# Altium PCB FX_PCB.PcbDoc (part 2 of 2)
Units mil, origin at the board's own origin, x right, y up, seen from the top; angles counter-clockwise.
Board outline 5090.03 x 3840.03 mil, 2 copper layers (Top Layer, Bottom Layer); 132 components, 112 nets, 533 pads, 214 vias.
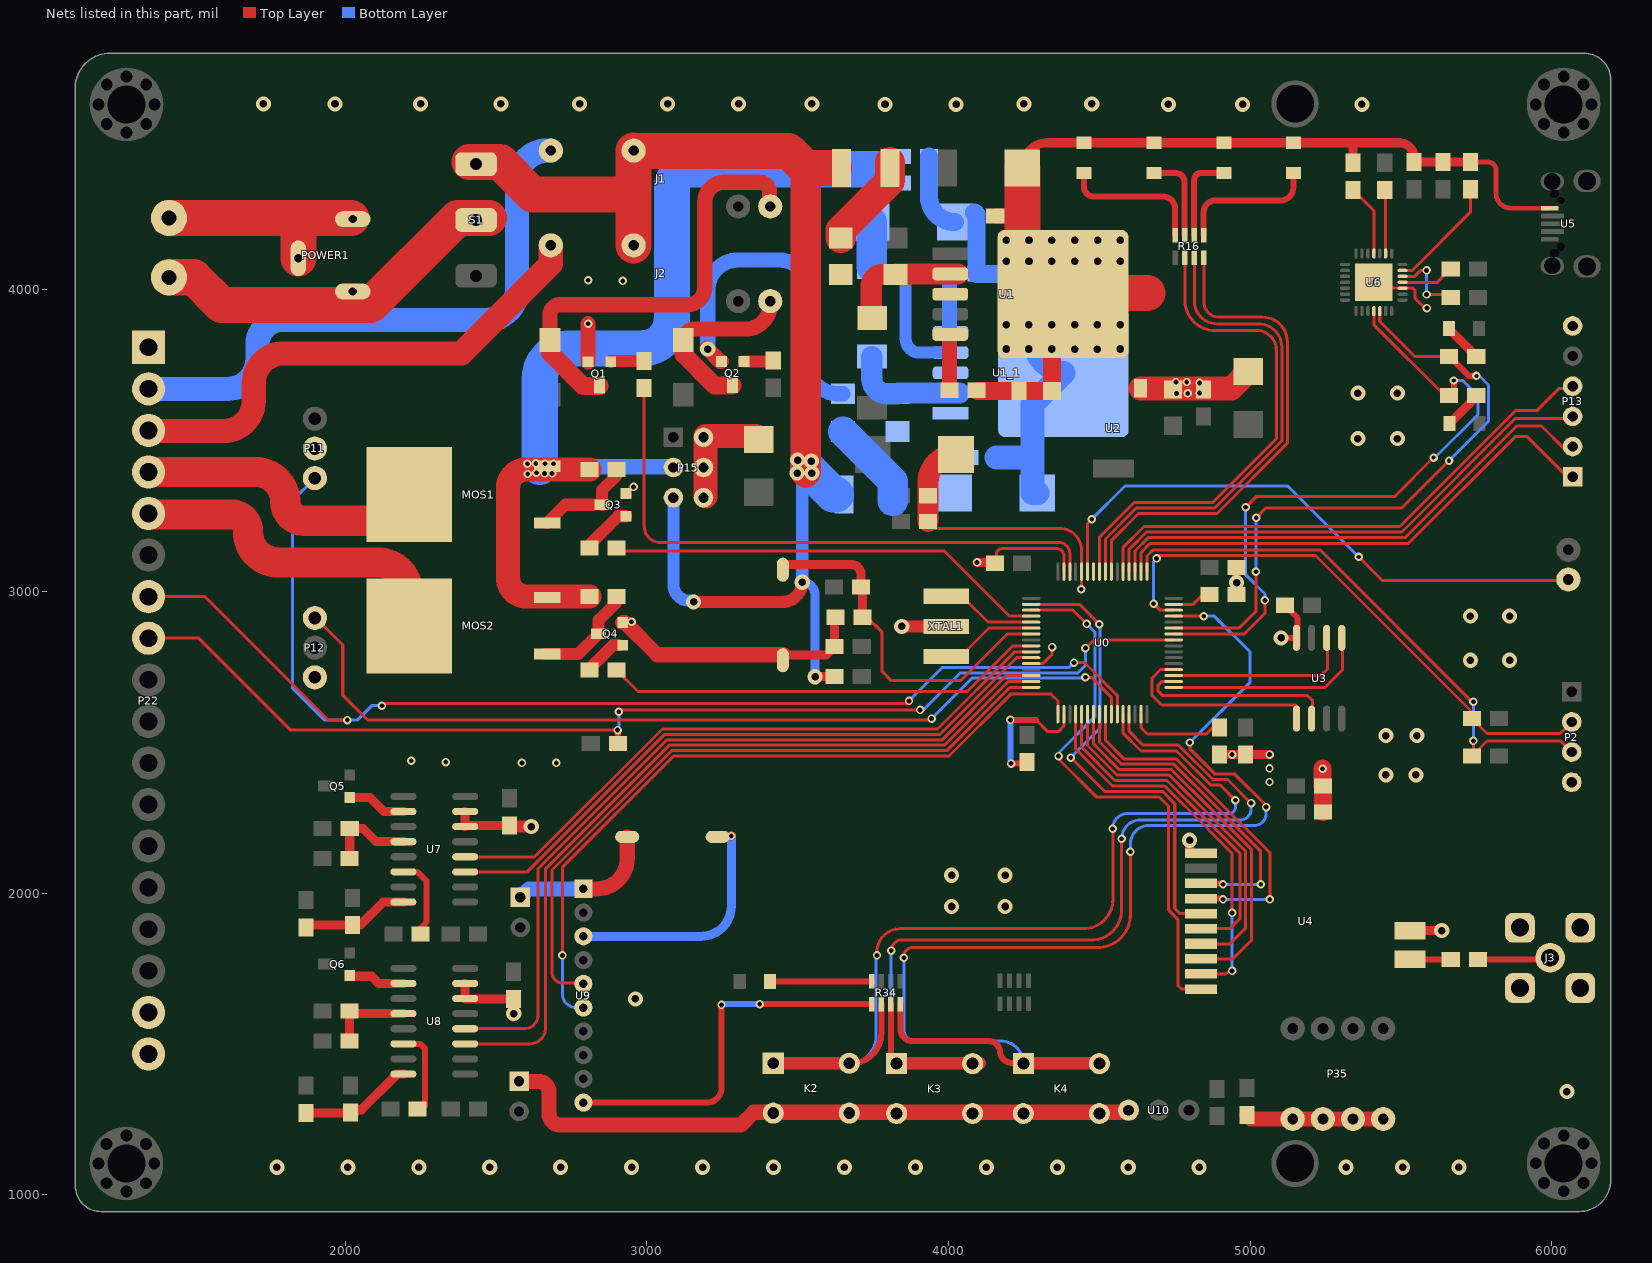
[diagram p2: the nets of this part, all layers, seen from the top]

## Via types
v1: diameter 50, hole 25, Top Layer to Bottom Layer, 108 vias
v2: diameter 28, hole 16, Top Layer to Bottom Layer, 98 vias
v3: diameter 28, hole 14, Top Layer to Bottom Layer, 6 vias
v4: diameter 40, hole 20, Top Layer to Bottom Layer, 2 vias

## Nets (pads, with @x,y where several pads share a name; then routed paths per layer and width w, separated by ;. In a path a pad name is that pad's centre, name@x,y a point inside that pad or via, vN(x,y) a via of type N, cw(c..) or ccw(c..) an arc to the next point about the centre after c; other vN are vias at no path point) (continued)
GND: C1.2 C1_2.2 C2.1 C2_2.1 C3.2 C3_2.2 C4.1 C4_2.1 C5.1 C5_2.1 C6.2 C7.1 C8.2 C9.1 C10.2 C11.2 C12.1 C13.1 C14.1 C15.2 C16.2 C17.2 C18.2 C19.2 C20.1 C21.2 C22.2 C23.1 C27.1 C31.2 D2.1 D2_2.1 D5.1 D6.1 J3.1 J3.2 J3.3 J3.4 K1.2 K2.2 K2.3 K3.2 K3.3 K4.2 K4.3 K5.2 LED0.2 LED1.2 LED2.2 LED3.2 P2.4 P11.2 P12.1 P13.6 P15.2 P15.4 P15.6 P17.1 P18.1 P22.1 P22.17 P22.18 P35.5 P35.6 P35.7 P35.8 POWER1.2 POWER1.3 POWER2.1 Q1.2 Q2.2 Q3.2 Q4.2 R1.1 R1_2.1 R9.2 R21.2 U0.12 U0.18 U0.60 U0.63 U1.3 U1.6 U1_1.3 U1_1.6 U2.1 U3.4 U4.1 U4.12 U5.5 U6.0 U6.3 U7.14 U7.15 U8.14 U8.15 U9.1 U10.1 XTAL1.3 | length 15094.8
  Top Layer w10: C4.1@3932.24,3232.78 ccw(c3955.02,3232.78) 3955.02,3210 4367,3210 cw(c4367,3135.57) 4441.43,3135.57 U0.60@4441.43,3066.36 4441.43,3001.01 4440,3002.44 v2(4440,3007.94) ; C16.2@4154,3094 ccw(c4154,3099) 4159,3099 4159,3124 cw(c4178,3124) 4178,3143 4358,3143 cw(c4358,3118.63) 4382.37,3118.63 U0.63@4382.37,3066.36 ; U0.12@4274.11,2761.24 4312.24,2761.24 4343.56,2792.56 v2(4343.56,2816) ; 4290,2575 4329.15,2535.85 4363.85,2535.85 4382.37,2554.37 U0.18@4382.37,2593.92 ; v2(5409.84,4025.5) 5429.53,4005.81 U6.3@5505.32,4005.81 5539.19,4005.81 5547,3998 5547,3972 5586,3933 v2(5586,3940)
  Top Layer w16: C31.2@5730.94,4423.96 5788.04,4423.96 cw(c5788.04,4397) 5815,4397 5815,4321 ccw(c5865.15,4321) 5865.15,4270.85 U5.5@5992.86,4270.85
  Top Layer w20: v2(4205,2575) 4290,2575 ; v2(4207.5,2430) 4255,2430 C17.2@4260,2435 ; v1(5102.69,2846.8) U3.4@5153.61,2846.8 ; C19.2@5115,2955 5157,2913 U3.4@5157,2820
  Top Layer w30: U8.15@2397.87,1701.1 U8.14@2397.87,1651.1 ccw(c2398.98,1651.1) 2398.98,1650 C27.1@2557.48,1650 ccw(c2557.48,1647.52) 2555,1647.52 v1@2555,1590 ; U7.15@2397.87,2271.1 U7.14@2397.87,2221.1 cw(c2401.77,2221.1) 2401.77,2225 C23.1@2545,2225 ; K1.2@3452.8,2790.71 3594.48,2790.71 R9.2@3622.39,2818.62 3622.39,2912.39 C12.1@3625,2915 ; v2(4095,3097) 4151,3097 cw(c4151,3094) C16.2@4154,3094 ; C1.2@4245,4404.08 cw(c4328.92,4404.08) 4328.92,4488 5341.41,4488 ; v1(4799.17,2176) 4799.17,2145.83 4812.42,2132.58 U4.1@4837.68,2132.58 ; C13.1@4898,2460 v2(4940,2460) C18.2@4985,2460 v2(5064.61,2460) ; C14.1@4955,2990 v1(4955,3030) C15.2@4955,3080 ; R21.2@5341.41,4421.6 5341.41,4488 ; U4.12@5529.5,1876.09 v1(5635,1876.09) ; C31.2@5730.94,4423.96 C21.2@5639.83,4423.96 C22.2@5542.94,4423.96 5542.94,4440 ccw(c5494.94,4440) 5494.94,4488 5341.41,4488
  Top Layer w40: C23.1@2545,2225 ccw(c2549.11,2225) 2549.11,2220.89 v1(2617,2220.89) ; v1(3845,2885) 3845,2884.76 XTAL1.3@3992.36,2884.76
  Top Layer w50: P18.1@2576.63,1377.01 ccw(c2577.64,1377.01) 2577.64,1376 2641,1376 cw(c2641,1341) 2676,1341 2676,1269 ccw(c2713,1269) 2713,1232 3312,1232 3354.32,1274.32 U10.1@4565.98,1274.32 ; U9.1@2789.86,2014.99 2835.04,2014.99 ccw(c2835.04,2114.99) 2935.04,2114.99 K5.2@2935.04,2187.2 ; Q1.2@2805.52,3762.16 v2(2805.52,3888) ; Q4.2@2920.16,2897.48 2927.83,2897.48 3034.6,2790.71 K1.2@3452.8,2790.71 ; v1@3199,3807 v1(3202,3804) 3242.84,3763.16 Q2.2@3247.52,3763.16 ; C2.1@4155,4245 4239,4245 ccw(c4239,4251) 4245,4251 ; C20.1@4990,1265 5003,1252 P35.5@5141,1252 P35.6@5241,1252 P35.7@5341,1252 P35.8@5441,1252
  Top Layer w60: R1.1@4095.77,3665 C7.1@4233.56,3665 C6.2@4343.56,3665 U1.6@4343.56,3778 ; v2(5240,2413) 5240,2357.48 ccw(c5242,2357.48) C10.2@5242,2355.48 ; C11.2@5242,2270 C10.2@5242,2350 ; J3.4@6084.24,1876.09 J3.4@6094.33,1886.18
  Top Layer w70: C4.1@3932.24,3232.78 C5.1@3932.24,3317.78 3932.24,3362.24 cw(c4025,3362.24) C3.2@4025,3455
  Top Layer w80: P15.6@3193.94,3315.48 3193.94,3515.48 3360.77,3515.48 cw(c3360.77,3504.6) D5.1@3371.65,3504.6 ; U2.1@4637.11,3673.87 4937.92,3673.87 D6.1@4993.65,3729.6
  Top Layer w120: POWER2.1@1416.06,4238.81 1850,4238.81 ; POWER1.3@1845,4105 1845,4233.81 1850,4238.81 ; POWER1.2@2021.19,4238.81 1850,4238.81 ; C1.2@4245,4404.08 4245,4251 4245,4086.31 ccw(c4345,4086.31) 4345,3986.31 U1.6@4379.7,3986.31 cw(c4383.39,3986.31) 4383.39,3990 4660,3990
  Bottom Layer w20: v2(4205,2575) 4205,2432.5 v2(4207.5,2430)
  Bottom Layer w50: P17.1@2580.81,1987.01 2608.79,2014.99 U9.1@2789.86,2014.99 ; v1(3202,3804) 3202,3999 cw(c3302,3999) 3302,4099 3440,4099 cw(c3440,4005) 3534,4005 3534,3756 ccw(c3634,3756) 3634,3656 D2_2.1@3650,3656
  Bottom Layer w60: C4_2.1@3935,4442 3935,4311 ccw(c4021,4311) C3_2.2@4021,4225 ; 4084,4256 cw(c4084,4247) 4093,4247 R1_2.1@4093,4053 4230,4053 cw(c4230,3995) 4288,3995 4288,3940 ; U1_1.6@4279,3825.25 ccw(c4379,3825.25) 4379,3725.25 U1_1.6@4380.87,3725.25
  Bottom Layer w80: C2_2.1@4160,3445 4273,3445 4278,3450 ; C1_2.2@4294,3327 4278,3327 4278,3450 ; U1_1.6@4380.87,3725.25 4278,3622.39 4278,3450
  other v1: 1773.76,1092 2008.94,1092 2244.11,1092 2479.28,1092 2714.45,1092 2949.62,1092 3184.8,1092 3419.97,1092 3655.14,1092 3890.31,1092 4125.48,1092 4360.66,1092 4595.83,1092 4831,1092 5318.31,1092 5505.32,1092 5692.01,1092 6050,1342.59 2559,1601 2962,1649.82 4010.17,1956.25 4187.47,1956.25 4010.17,2060 4187.47,2060 5450,2392.48 5549.3,2392.48 5450,2522.48 5552.94,2522.48 5730,2772.71 5860,2772.71 5730,2918.72 5860,2918.72 5357.04,3507 5488.04,3507 5357.04,3658 5488.04,3658 4493.58,3803 4191,3804.4 4266.64,3804.4 4342.29,3804.4 4417.93,3804 4569.22,3804.4 4191,3884 4266.64,3884 4342.29,3884 4417.93,3884 4493.58,3884 4569.22,3884 4191,4095 4266.8,4095 4342.6,4095 4418.4,4095 4494.2,4095 4570,4095 4191,4165.36 4266.8,4165.36 4342.6,4165.36 4418.4,4165.36 4494.2,4165.36 4570,4165.36 3789.45,4615.08 4025,4615.08 4729.1,4615.08 4975.07,4615.08 5370.47,4615.08 1728.69,4617 1966.26,4617 2250,4617 2516.08,4617 2777,4617 3068.86,4617 3304.55,4617 3547,4617 4250,4617 4475,4617
  other v2: 5064,2369 5064,2414 2585.81,2432.19 2700,2432.19 2333.43,2435 2219.08,2439.71 2949.62,2900 2956,3347 4756,3657 4793,3657 4832,3658 4832,3692 4754,3695 4790,3695 2920.16,4030.07 2805.52,4032.22
GPIO0(C4): U0.24 U4.3 | length 1085
  Top Layer w10: U0.24@4500.48,2593.92 4500.48,2501.34 4573.82,2428 4746.54,2428 4813.32,2361.23 4813.56,2361.23 5035,2139.78 v2(5035,2030)
  Top Layer w20: U4.3@4837.68,2032.58 4907.42,2032.58 v2(4910,2030)
  Bottom Layer w10: v2(4910,2030) v2(5035,2030)
GPIO1(C5): U0.25 U4.4 | length 1169.3
  Top Layer w10: U0.25@4520.17,2593.92 4520.17,2507.11 4581.28,2446 4754,2446 4820.77,2379.23 4821.01,2379.23 5065,2135.24 v2(5065,1980)
  Top Layer w20: U4.4@4837.68,1982.58 4907.42,1982.58 v2(4910,1980)
  Bottom Layer w10: v2(4910,1980) v2(5065,1980)
HEAT1(C15): R12.2 U0.4 | length 1467.8
  Top Layer w10: R12.2@2900,3145 2910.14,3134.86 3986.1,3134.86 4202.24,2918.72 U0.4@4274.11,2918.72
HEAT1(加热布1): MOS1.1 P22.4 | length 1275.6
  Top Layer w100: P22.4@1348.51,3396.75 1701.68,3396.75 cw(c1701.68,3296.75) 1801.68,3296.75 ccw(c1863.68,3296.75) 1863.68,3234.75 2126.39,3234.75 ccw(c2126.39,3321.51) MOS1.1@2213.14,3321.51 2126.59,3234.96 1980,3234.96
HEAT2(C1): R14.2 U0.9 | length 1466.1
  Top Layer w10: R14.2@2900,2739.83 2970.83,2669 4062.3,2669 4213.6,2820.3 U0.9@4274.11,2820.3
HEAT2(加热布2): MOS2.1 P22.5 | length 1121
  Top Layer w100: P22.5@1348.51,3258.96 ccw(c1351.46,3258.96) 1351.46,3256 1623,3256 cw(c1623,3201) 1678,3201 1678,3196.96 ccw(c1778,3196.96) 1778,3096.96 2108.14,3096.96 cw(c2108.14,2996.96) 2208.14,2996.96 MOS2.1@2208.14,2886.87
HEAT_5V: C3_2.1 C4_2.2 C5_2.2 L1_2.2 MOS1.3 MOS2.3 P15.3 R13.1 R15.1 U1_1.4 | length 3997.6
  Top Layer w80: R15.1@2810,2983.93 2601.07,2983.93 cw(c2601.07,3045) 2540,3045 2540,3344.41 cw(c2600.59,3344.41) 2600.59,3405 R13.1@2810,3405
  Bottom Layer w40: L1_2.2@3745.56,4076.11 ccw(c3760.67,4076.11) 3760.67,4061 3806,4061 cw(c3806,4009) 3858,4009 3858,3838 ccw(c3903.82,3838) 3903.82,3792.18 U1_1.4@4006.85,3792.18
  Bottom Layer w50: 2645,3414 3085.42,3414 cw(c3085.42,3411.48) P15.3@3087.94,3411.48
  Bottom Layer w100: C3_2.1@3745.41,4225 3745.41,4076.11 L1_2.2@3745.56,4076.11
  Bottom Layer w120: 2645,3414 2645,3706 cw(c2745,3706) 2745,3806 2983,3806 ccw(c2983,3906) 3083,3906 3083,4338 cw(c3145,4338) 3145,4400 3770,4400
  other v2: 2605,3390 2661,3392 2686,3392 2634,3394 2604,3424 2662,3424 2691,3424 2632,3425
HEAT_12V: C1_2.1 C2_2.2 D1_2.2 U1_1.1
HX711_DO1(C2): U0.10 U7.12 | length 2157.7
  Top Layer w10: U7.12@2397.87,2121.1 2627.82,2121.1 3051.72,2545 3963.76,2545 4219.37,2800.61 U0.10@4274.11,2800.61
HX711_DO2(A0): U0.14 U8.12 | length 2652.5
  Top Layer w10: U8.12@2397.87,1551.1 2594.1,1551.1 ccw(c2594.1,1596) 2639,1596 2639,2081.37 3066.63,2509 3979,2509 4191.87,2721.87 U0.14@4274.11,2721.87
HX711_SCK1(C3): U0.11 U7.11 | length 2170.3
  Top Layer w10: U7.11@2397.87,2071.1 2603.28,2071.1 3059.18,2527 3971.54,2527 4225.47,2780.93 U0.11@4274.11,2780.93
HX711_SCK2(A1): U0.15 U8.11 | length 2690.8
  Top Layer w10: U8.11@2397.87,1501.1 2611.1,1501.1 ccw(c2611.1,1554.84) 2664.84,1554.84 2664.84,2081.75 3074.09,2491 3986.46,2491 4197.64,2702.19 U0.15@4274.11,2702.19
KEY1(B2): K2.1 K2.4 R34.3 U0.28 | length 3046.5
  Top Layer w10: v2(3763,1794) 3763,1805.58 cw(c3840,1805.58) 3794.18,1867.46 cw(c3840,1805.58) 3840,1882.58 4447.25,1882.58 ccw(c4447.25,1980.33) 4545,1980.33 v2@4545,2214 ; U0.28@4579.22,2593.92 4579.22,2530.78 4638,2472 4756.09,2472 4869.09,2359 4900.68,2359 v2(4951,2308.68)
  Top Layer w20: K2.4@3670.98,1436.68 3677.56,1436.68 ccw(c3677.56,1536.68) 3777.56,1536.68 R34.3@3777.56,1632.59
  Top Layer w40: K2.1@3419.02,1436.68 K2.4@3670.98,1436.68
  Bottom Layer w10: K2.4@3670.98,1436.68 ccw(c3670.98,1525.69) 3760,1525.69 3760,1791 cw(c3763,1791) v2(3763,1794) ; v2(4544,2214) cw(c4595,2214) 4595,2265 4931,2265 ccw(c4931,2285) 4940.29,2267.29 ccw(c4931,2285) 4948.71,2275.71 ccw(c4931,2285) 4951,2285 v2(4951,2308.68)
KEY2(B10): K3.1 K3.4 R34.5 U0.29 | length 3011.2
  Top Layer w10: v2(3810,1810) cw(c3845,1810) 3845,1845 4474,1845 ccw(c4474,1945) 4574,1945 v2(4574,2181) ; U0.29@4598.91,2593.92 4598.91,2537.18 4644.09,2492 4761.54,2492 4876.54,2377 4925,2377 v2(5003,2299)
  Top Layer w20: R34.5@3809.05,1632.59 3809.05,1479.64 ccw(c3852.02,1479.64) K3.1@3852.02,1436.68
  Top Layer w40: K3.1@3852.02,1436.68 K3.4@4103.98,1436.68
  Bottom Layer w10: v2(3810,1810) 3810,1478.69 ccw(c3852.02,1478.69) K3.1@3852.02,1436.68 ; v2(4574,2181) cw(c4636,2181) 4636,2243 4967,2243 ccw(c4967,2279) 4980.71,2245.71 ccw(c4967,2279) 5000.29,2265.29 ccw(c4967,2279) 5003,2279 v2(5003,2299)
KEY3(A12): K4.1 K4.4 R34.7 U0.45 | length 4170.9
  Top Layer w10: v2(3852.02,1786.18) 3852.02,1792.02 cw(c3880,1792.02) 3880,1820 4493.45,1820 ccw(c4493.45,1929.55) 4603,1929.55 v2(4603,2138) ; U0.45@4746.55,2918.72 v2(4846,2918.72) ; v2(4800,2500) 4800,2479 4884,2395 4949,2395 5053,2291 v2(5053,2286)
  Top Layer w20: R34.7@3840.55,1632.59 3840.55,1549.45 ccw(c3880,1549.45) 3880,1510 4133.92,1510 cw(c4133.92,1473.42) 4170,1479.44 ; 4170,1480 ccw(c4213.32,1480) 4170,1479.44 ; 4285.02,1436.68 4213.32,1436.68 cw(c4213.32,1480) 4170.5,1473.42 ; 4170,1479.44 cw(c4133.92,1473.42) 4170.5,1473.42 ; 4170,1479.44 ccw(c4213.32,1480) 4170.5,1473.42
  Top Layer w40: 4285.02,1436.68 K4.4@4499.98,1436.68
  Bottom Layer w10: v2(3852.02,1786.18) 3852.02,1547.98 ccw(c3890,1547.98) 3890,1510 4173.37,1510 ; v2@4597,2138 v2(4603,2138) 4603,2163.58 cw(c4664.42,2163.58) 4664.42,2225 5014,2225 ccw(c5014,2264) 5029,2228 ccw(c5014,2264) 5050,2249 ccw(c5014,2264) 5053,2264 v2(5053,2286) ; v2(4800,2500) 5000,2700 5000,2800 4881.28,2918.72 v2(4846,2918.72) ; 4173.37,1510 cw(c4173.37,1435.35) 4180.32,1509.68 ; 4173.37,1510 4180,1510 4180.32,1509.68 ; 4180.32,1509.68 cw(c4173.37,1435.35) K4.1@4247.69,1442.31 ; K4.1@4247.69,1442.31 cw(c4173.37,1435.35) K4.1@4248.02,1435.35 4248.02,1441.98 K4.1@4247.69,1442.31
LED1(B3): R16.2 U0.55 | length 1673.8
  Top Layer w10: U0.55@4539.85,3066.36 4539.85,3168.85 4630,3259 4889.91,3259 5123,3492.09 5123,3828.6 ccw(c5041.6,3828.6) 5041.6,3910 4896.85,3910 cw(c4896.85,3960.35) 4846.5,3960.35 R16.2@4846.5,4126.41
LED2(B4): R16.4 U0.56 | length 1679
  Top Layer w10: U0.56@4520.17,3066.36 4520.17,3174.71 4622.46,3277 4882.46,3277 5105,3499.54 5105,3810.25 ccw(c5027.25,3810.25) 5027.25,3888 4890,3888 cw(c4890,3963) 4815,3963 R16.4@4815,4126.41
LED3(B5): R16.6 U0.57 | length 1687.7
  Top Layer w10: U0.57@4500.48,3066.36 4500.48,3180.48 4615,3295 4875,3295 5087,3507 5087,3800 ccw(c5021.3,3800) 5021.3,3865.7 4883.5,3865.7 cw(c4883.5,3965.7) 4783.5,3965.7 R16.6@4783.5,4126.41
Motor(抽水电机): J1.3 P22.2 | length 1959.3
  Bottom Layer w80: P22.2@1348.5,3672.35 1611,3672.35 ccw(c1611,3770.35) 1709,3770.35 1709,3818 cw(c1792,3818) 1792,3901 2470,3901 ccw(c2470,4001) 2570,4001 2570,4362.02 cw(c2670,4362.02) 2670,4462.02 J1.3@2681.67,4462.02
NetC13_2: C13.2 U0.31 | length 322.6
  Top Layer w10: U0.31@4638.28,2593.92 4638.28,2548.72 4659,2528 4854,2528 4876,2550 C13.2@4898,2550
NetC14_2: C14.2 U0.47 | length 131.7
  Top Layer w10: U0.47@4746.55,2958.09 4811.09,2958.09 4843,2990 C14.2@4865,2990
NetC26_2: C26.2 R26.2 U7.8 | length 354.7
  Top Layer w30: R26.2@1870,1895 C26.2@2025,1895 2050,1895 2126.1,1971.1 U7.8@2193.15,1971.1
NetC30_2: C30.2 R29.2 U8.8 | length 384.9
  Top Layer w30: R29.2@1870,1272.34 C30.2@2032.66,1272.34 ; C30.2@2020,1282.57 2053.49,1282.57 2172.02,1401.1 U8.8@2193.15,1401.1
NetC31_1: C31.1 U6.6 | length 381
  Top Layer w10: U6.6@5505.32,4064.87 5536.87,4064.87 5730.94,4258.94 C31.1@5730.94,4333.96
NetD1_1: D1.1 F1.2 | length 319.3
  Top Layer w100: D1.1@3643,4172.4 3643,4198 3806.42,4361.42 F1.2@3806.42,4404.08 F1.2@3806.42,4424
NetD1_2_1: D1_2.1 F1_2.2 | length 298.5
  Bottom Layer w100: D1_2.1@3650,3531 3815.42,3365.58 F1_2.2@3815.42,3322 F1_2.2@3815.42,3301
NetD2_2: D2.2 L1.1 U1.2 | length 419.2
  Top Layer w70: L1.1@3747.56,3906.89 cw(c3747.56,3910.45) 3744,3910.45 3744,4014 cw(c3781,4014) 3781,4051 D2.2@3824.1,4051 3826.34,4053.24 U1.2@4005.69,4053.24 U1.2@4032,4053.24
NetD2_2_2: D2_2.2 L1_2.1 U1_1.2 | length 394.2
  Bottom Layer w70: L1_2.1@3746.56,3779.11 ccw(c3746.56,3778.11) 3745.56,3778.11 3745.56,3707 ccw(c3796.56,3707) 3796.56,3656 D2_2.2@3831.1,3656 3833.42,3658.32 U1_1.2@4006.85,3658.32 U1_1.2@4037,3658.32
NetD3_1: D3.1 J1.4 Q1.3 | length 1500
  Top Layer w50: D3.1@2679,3834 2679,3919 cw(c2711,3919) 2711,3951 3135,3951 ccw(c3135,4008) 3192,4008 3192,4292 cw(c3257,4292) 3257,4357 3374.58,4357 cw(c3374.58,4324.58) 3407,4324.58 J1.4@3407,4279.02
  Top Layer w60: D3.1@2679,3834 2679,3792 2788.84,3682.16 Q1.3@2842.52,3682.16
NetD4_1: D4.1 J2.4 Q2.3 | length 609.5
  Top Layer w50: D4.1@3121,3834 cw(c3157.01,3834) 3157.01,3870.01 3326.06,3870.01 ccw(c3326.06,3952.98) J2.4@3409.03,3952.98
  Top Layer w60: D4.1@3121,3834 3121,3787 3224.84,3683.16 Q2.3@3284.52,3683.16
NetJ3_5: J3.5 R2.2 | length 241.4
  Top Layer w20: R2.2@5755,1781.2 5989.35,1781.2 J3.5@5994.33,1786.18
NetLED0_1: LED0.1 R16.1 | length 468.4
  Top Layer w20: R16.1@4846.05,4182 4846.05,4258.99 cw(c4883.5,4258.99) 4883.5,4296.44 5100,4296.44 ccw(c5100,4339.44) 5143,4339.44 LED0.1@5143,4388
NetLED1_1: LED1.1 R16.3 | length 294.5
  Top Layer w20: R16.3@4814.56,4182 4814.56,4365.22 cw(c4837.33,4365.22) 4837.33,4388 LED1.1@4912.79,4388
NetLED2_1: LED2.1 R16.5 | length 294.6
  Top Layer w20: LED2.1@4680.9,4388 4751.5,4388 cw(c4751.5,4356.44) 4783.06,4356.44 R16.5@4783.06,4182
NetLED3_1: LED3.1 R16.7 | length 477.1
  Top Layer w20: LED3.1@4449,4388 4449,4341.8 ccw(c4480.8,4341.8) 4480.8,4310 4710,4310 cw(c4710,4268.44) 4751.56,4268.44 R16.7@4751.56,4182
NetLED5_2: LED5.2 R22.1 | length 125.9
  Top Layer w30: LED5.2@5660.4,3557 R22.1@5749.4,3646
NetLED6_2: LED6.2 R23.1 | length 129.7
  Top Layer w30: LED6.2@5658.4,3872 5658.4,3871 R23.1@5749.4,3780
NetLED7_2: LED7.2 R34.2 | length 348.1
  Top Layer w20: LED7.2@3398,1708.18 R34.2@3746.06,1708.18
NetMOS1_2: MOS1.2 Q3.3 R13.2 | length 317.4
  Top Layer w40: MOS1.2@2669.84,3227.81 2730,3287.97 2825,3287.97 ; Q3.3@2851,3287.97 2851,3336 2900,3385 R13.2@2900,3405
NetMOS2_2: MOS2.2 Q4.3 R15.2 | length 351.4
  Top Layer w40: MOS2.2@2664.84,2793.17 2772.84,2793.17 Q4.3@2840.16,2860.48 2840.16,2905.16 2900,2965 R15.2@2900,2983.93
NetPOWER1_1: POWER1.1 POWER2.2 S1.2 | length 1218.7
  Top Layer w120: POWER2.2@1416.06,4041.96 1498.04,4041.96 1590,3950 2084.11,3950 2373.07,4238.96 S1.2@2477,4238.96
NetQ1_1: Q1.1 R6.1 | length 111.1
  Top Layer w40: Q1.1@2880.52,3762.16 cw(c2883.36,3762.16) 2883.36,3765 R6.1@2990,3765
NetQ2_1: Q2.1 R7.1 | length 98.1
  Top Layer w40: Q2.1@3322.52,3763.16 3416.16,3763.16 ccw(c3416.16,3766) R7.1@3419,3766
NetQ3_1: Q3.1 R12.1 | length 170.3
  Top Layer w40: R12.1@2810,3145 2810,3155 2904.97,3249.97 Q3.1@2931,3249.97
NetQ4_1: Q4.1 R14.1 | length 149.4
  Top Layer w30: Q4.1@2910,2822.48 Q4.1@2920.16,2822.48
  Top Layer w40: R14.1@2805,2739.83 2887.65,2822.48 Q4.1@2910,2822.48
NetQ5_1: Q5.1 U7.2 | length 197.2
  Top Layer w30: Q5.1@2015.16,2317.48 2082.52,2317.48 2128.9,2271.1 U7.2@2193.15,2271.1
NetQ6_1: Q6.1 U8.2 | length 188.9
  Top Layer w30: Q6.1@2015.16,1727.48 2017.64,1725 2087.58,1725 2111.48,1701.1 U8.2@2193.15,1701.1
NetR1_2: R1.2 U1.5 | length 173.4
  Top Layer w50: R1.2@4003.17,3667.6 U1.5@4003.17,3841
NetR1_2_2: R1_2.2 U1_1.5 | length 182
  Bottom Layer w50: U1_1.5@4003,3871 R1_2.2@4003,4053
NetR2_1: R2.1 U4.11 | length 135.5
  Top Layer w20: U4.11@5529.5,1781.2 R2.1@5665,1781.2
NetR18_2: R18.2 U6.4 | length 178.1
  Top Layer w10: U6.4@5505.32,4025.5 5620.5,4025.5 R18.2@5665,4070
NetR19_2: R19.2 U6.5 | length 268.9
  Top Layer w10: U6.5@5505.32,4045.18 5545.5,4045.18 5565.32,4065 v2(5585,4065) ; v2(5585,3985) 5655,3985 R19.2@5665,3975 R19.2@5655.18,3965.18
  Bottom Layer w10: v2(5585,3985) 5585,3983.49 v2(5585,4065)
NetR20_2: R20.2 U6.9 | length 211.9
  Top Layer w10: R20.2@5446.1,4331.6 5449.21,4328.49 U6.9@5449.21,4120.97
NetR21_1: R21.1 U6.11 | length 239
  Top Layer w10: R21.1@5341.41,4331.6 5409.84,4263.16 U6.11@5409.84,4120.97
NetR24_2: R24.2 R25.2 U7.4 | length 291.2
  Top Layer w30: R25.2@2015.16,2120 R24.2@2015.16,2215 2059.06,2215 2102.95,2171.1 U7.4@2193.15,2171.1
NetR27_2: R27.2 R28.2 U8.4 | length 281.8
  Top Layer w30: R28.2@2015,1510 R27.2@2015,1610 2023.9,1601.1 U8.4@2193.15,1601.1
NetU0_5: U0.5 XTAL1.1 | length 313.9
  Top Layer w10: XTAL1.1@3992.36,2976.76 4053.24,2976.76 4130.96,2899.04 U0.5@4274.11,2899.04
NetU0_6: U0.6 XTAL1.2 | length 324.2
  Top Layer w10: XTAL1.2@3992.36,2776.76 4008.77,2793.17 4048.17,2793.17 4134.35,2879.35 U0.6@4274.11,2879.35
nLINK: R34.1 U9.10 | length 1269.5
  Top Layer w20: U9.10@2789.86,1306.33 3198.85,1306.33 ccw(c3198.85,1355) 3247.52,1355 ; 3247.52,1350 v2(3247.52,1630) ; v2@3371.65,1630 cw(c3374.24,1630) v2(3374.24,1632.59) R34.1@3746.06,1632.59
  Bottom Layer w20: v2(3247.52,1630) cw(c3250.11,1630) 3250.11,1632.59 v2(3374.24,1632.59)
PA15: P13.1@6069.05,3380.93 U0.50 | length 1700
  Top Layer w10: U0.50@4638.28,3066.36 4638.28,3129.09 4669.19,3160 5525,3160 5880,3515 5916.41,3515 P13.1@6057.3,3374.11
PB6: U0.58
PB7: P13.2@6054.86,3040.27 U0.59 | length 1943.6
  Top Layer w10: U0.59@4461.11,3066.36 4461.11,3226.11 v3(4475,3240) ; v3(5360,3115) 5400,3075 5438.84,3036.16 P13.2@6063.61,3036.16
  Bottom Layer w10: v3(4475,3240) 4585,3350 5125,3350 v3(5360,3115)
PC10: P13.2@6069.05,3480.93 U0.51 | length 1709.8
  Top Layer w10: U0.51@4618.59,3066.36 4618.59,3134.86 4663.73,3180 5515,3180 5884,3549 5966,3549 6040.89,3474.11 P13.2@6057.3,3474.11
PC11: P13.3 U0.52 | length 1712.2
  Top Layer w10: U0.52@4598.91,3066.36 4598.91,3140.63 4656.28,3198 5503,3198 5879.11,3574.11 P13.3@6057.3,3574.11
PC12: P13.4 U0.53 | length 1777
  Top Layer w10: U0.53@4579.22,3066.36 4579.22,3146.95 4648.28,3216 5495.54,3216 5879.54,3600 5950,3600 6024.11,3674.11 P13.4@6057.3,3674.11
POW-12.0V: F1.1 F1_2.1 J1.1 J2.1 P15.5 R8.1 S1.1 | length 4305.7
  Top Layer w30: v1@3558,2717.35 cw(c3559.27,2717.35) 3559.27,2718.62 R8.1@3622.39,2718.62
  Top Layer w40: v1(3155,2966) 3450,2966 ccw(c3450,3031.25) v1(3515.25,3031.25)
  Top Layer w100: v1@3527,3396 3527,4404.08
  Top Layer w120: S1.1@2412,4424 2439,4424 2514,4424 2622,4316 2956.28,4316 ; J2.1@2956.28,4148.02 2956.28,4316 ; J1.1@2956.28,4462.02 J1.1@2956.28,4440.28 ; F1.1@3620,4404.08 3527,4404.08 3470.08,4461 2977,4461 J1.1@2956.28,4440.28 ; 2956.28,4316 J1.1@2956.28,4440.28
  Bottom Layer w30: v1(3515.25,3031.25) cw(c3515.25,2988.49) 3558,2988.49 v1(3558,2718)
  Bottom Layer w40: P15.5@3087.94,3311.48 3087.94,3022.94 ccw(c3140.77,3022.94) 3140.76,2970.12 v1@3156.37,2970.12 ; v1(3515.25,3031.25) 3515.25,3387.25 3521,3393 cw(c3534,3393) v1@3534,3406
  Bottom Layer w120: v1@3534,3406 v1(3547,3393) 3618,3322 F1_2.1@3626,3322
  other v1: 3498,3393 3545,3433 3500,3436
RELOAD: K5.1 U9.3 | length 826.3
  Top Layer w30: K5.1@3235.04,2187.2 cw(c3237.83,2187.2) 3237.83,2190 v2(3280,2190)
  Bottom Layer w30: U9.3@2789.86,1857.51 3180,1857.51 ccw(c3180,1957.51) 3280,1957.51 v2(3280,2190)
RESET: C12.2 K1.1 R3.1 U0.7 | length 1219
  Top Layer w10: C12.2@3715,2915 3730,2915 3780,2865 3780,2735 3810,2705 4040,2705 4194.67,2859.67 U0.7@4274.11,2859.67
  Top Layer w30: K1.1@3450.8,3072.71 cw(c3468.8,3072.71) 3468.8,3090.71 3676.01,3090.71 cw(c3676.01,3056.71) 3710,3056.71 R3.1@3710,3015 3715,3010 C12.2@3715,2915
SDN(C14): U0.3 U4.10 | length 1829.8
  Top Layer w10: U0.3@4274.11,2938.41 4412.59,2938.41 v2(4458,2893) ; v2(4365,2455) 4365,2445 4490,2320 4697.96,2320 4730,2287.96 4730,1943.71 4760,1913.71 4760,1695 4772.42,1682.58 U4.10@4837.68,1682.58
  Bottom Layer w10: v2(4365,2455) 4365,2465 4485,2585 4485,2866 v2(4458,2893)
Servo_PWM(B0): P12.3 U0.26 | length 3039.4
  Top Layer w10: P12.3@1903.32,2935.83 1903.32,2911.68 1992,2823 1992,2657 2074,2575 3940,2575 v2(3944,2579) ; v2(4454,2716) 4474.17,2716 4539.85,2650.32 U0.26@4539.85,2593.92
  Bottom Layer w10: v2(3944,2579) 4078,2713 4451,2713 v2(4454,2716)
Solenoid_Valve(电磁阀): J2.3 P22.3 | length 1690.7
  Top Layer w80: P22.3@1348.51,3534.55 ccw(c1350.51,3534.55) 1350.51,3532.55 1597,3532.55 ccw(c1597,3632.55) 1697,3632.55 1697,3690 cw(c1797,3690) 1797,3790 2386,3790 2681.67,4085.67 J2.3@2681.67,4148.02
SPI1_INT(C13): U0.2 U4.5 | length 1587.5
  Top Layer w10: U0.2@4274.11,2958.09 4433.91,2958.09 v2(4500,2892) ; v2(4405,2450) 4517,2338 4709.27,2338 4750,2297.27 4750,1950 4767.42,1932.58 U4.5@4837.68,1932.58
  Bottom Layer w10: v2(4405,2450) 4503,2548 4503,2889 v2(4500,2892)
SPI1_MISO(A6): U0.22 U4.7 | length 1196.3
  Top Layer w10: U0.22@4461.11,2593.92 4461.11,2489.8 4558.91,2392 4731.63,2392 4798.4,2325.23 4798.64,2325.23 4985,2138.87 4985,1885 4932.58,1832.58 U4.7@4837.68,1832.58
SPI1_MOSI(A7): U0.23 U4.8 | length 1260.5
  Top Layer w10: U0.23@4480.8,2593.92 4480.8,2495.57 4566.37,2410 4739.09,2410 4805.86,2343.23 4806.1,2343.23 5005,2144.33 5005,1845 4942.58,1782.58 U4.8@4837.68,1782.58
SPI1_NSS(A4): U0.20 U4.9 | length 1313.6
  Top Layer w10: U0.20@4421.74,2593.92 4421.74,2478.26 4544,2356 4716.72,2356 4783.49,2289.23 4783.73,2289.23 4940,2132.96 v2(4940,1935) ; U4.9@4787.42,1732.58 U4.9@4837.68,1732.58 4920.01,1732.58 v2@4930,1742.58
  Bottom Layer w10: v2(4940,1743) v2(4940,1935)
SPI1_SCK(A5): U0.21 U4.6 | length 1139.5
  Top Layer w10: U0.21@4441.43,2593.92 4441.43,2484.03 4551.46,2374 4724.18,2374 4790.95,2307.23 4791.19,2307.23 4967,2131.42 4967,1917 4932.58,1882.58 U4.6@4837.68,1882.58
SPI2_MISO(B14): U0.35 U3.2 | length 614.9
  Top Layer w10: U0.35@4746.55,2721.87 5234.37,2721.87 5256,2743.5 U3.2@5256,2840
SPI2_MOSI(B15): U0.36 U3.5 | length 635.9
  Top Layer w10: U0.36@4746.55,2741.56 4702.56,2741.56 4675,2714 4675,2656 4706,2625 5150,2625 U3.5@5155,2620
SPI2_NSS(B12): U0.33 U3.1 | length 682.7
  Top Layer w10: U0.33@4746.55,2682.5 5247.5,2682.5 5306,2741 U3.1@5306,2840
SPI2_SCK(B13): U0.34 U3.6 | length 659.8
  Top Layer w10: U0.34@4746.55,2702.19 4707.19,2702.19 4695,2690 4695,2670 4710,2655 5190,2655 5207,2638 U3.6@5207,2580
SWCLK: P2.3 R5.2 U0.49 | length 1914.8
  Top Layer w10: U0.49@4657.96,3066.36 4657.96,3117.96 4678.8,3138.8 5231.2,3138.8 v2@5744.5,2625.5 ; R5.2@5735,2455 R5.2@5740,2460 ; v2(5740,2505) R5.2@5740,2460 ; P2.3@6065.95,2468.14 6029.09,2505 5785,2505 R5.2@5740,2460 ; P2.3@6076.41,2478.59 P2.3@6085.93,2469.07
  Bottom Layer w10: v2(5740,2505) v2(5740,2635)
SWDIO: P2.2 R4.2 U0.46 | length 1890.3
  Top Layer w10: v2(4680,2960) 4701.59,2938.41 U0.46@4746.55,2938.41 ; v2(4690,3110) 4700,3120 5216.56,3120 5740.5,2596.06 R4.2@5740.5,2574.5 ; R4.2@5735,2580 R4.2@5740.5,2574.5 ; P2.2@6065.95,2568.14 6027.81,2530 5785,2530 R4.2@5740.5,2574.5
  Bottom Layer w10: v2(4680,2960) 4680,3100 v2(4690,3110)
U1_RX(A10): R23.2 U0.43 U6.26 | length 2135.9
  Top Layer w10: U0.43@4746.55,2879.35 4963.35,2879.35 5019,2935 v2(5019,3066) ; v2(5020,3245) 5052,3277 5502.4,3277 v3(5659.4,3434) ; U6.26@5429.53,3930.02 5429.53,3895.47 5545,3780 R23.2@5659.4,3780
  Top Layer w20: R23.2@5659.4,3780 5724.4,3715 v3(5750,3715)
  Bottom Layer w10: v2(5019,3066) v2@5019,3063 ; v2(5020,3245) 5020,3064 v2@5019,3063 ; v3(5659.4,3434) 5790,3564.6 5790,3685 5750,3725 v3(5750,3715) ; v2@5019,3063 5019,3061 5018,3062 v2@5019,3063
U1_TX(A9): R22.2 U0.42 U6.25 | length 2204.3
  Top Layer w10: U0.42@4746.55,2859.67 4980.67,2859.67 5049,2928 v2(5049,2971) ; v2(4985,3280) 5020,3315 5478.49,3315 v3(5608.07,3444.57) ; U6.25@5409.84,3930.02 5409.84,3885.16 R22.2@5645,3650
  Top Layer w20: R22.2@5659.4,3650 5675,3665.6 v3(5675,3700)
  Bottom Layer w10: v2(4985,3280) 4985,3055.94 5049,2991.94 v2(5049,2971) ; v3(5608.07,3444.57) 5613.05,3444.57 5755,3586.52 5755,3650 5705,3700 v3(5675,3700)
U2_RX(A3): U0.17 U9.6 | length 2448.2
  Top Layer w10: v2(2720,1794) 2720,2086 3089,2455 4001.37,2455 4206.37,2660 4340,2660 4362.69,2637.31 U0.17@4362.69,2593.92
  Bottom Layer w10: v2(2720,1794) 2720,1667 ccw(c2765.71,1667) 2765.71,1621.29 U9.6@2789.86,1621.29
U2_TX(A2): U0.16 U9.5 | length 2311.6
  Top Layer w10: U9.5@2788.86,1725.03 2765.83,1702 2721,1702 cw(c2721,1737) 2715.58,1702.42 cw(c2721,1737) 2686.42,1731.58 cw(c2721,1737) 2686,1737 2686,2077.46 3081.54,2473 3993.91,2473 4203.41,2682.5 U0.16@4274.11,2682.5
VBG1: C25.1 U7.6 | length 253
  Top Layer w20: U7.6@2193.15,2071.1 2238.9,2071.1 2270,2040 2270,1905 C25.1@2250,1885
VBG2: C29.1 U8.6 | length 296.3
  Top Layer w20: U8.6@2193.15,1501.1 2248.9,1501.1 2263.9,1486.1 2263.9,1295 C29.1@2243.9,1275
WATER(B9): R6.2 U0.62 | length 1981.6
  Top Layer w10: R6.2@2990,3675 cw(c2990,3674) 2991,3674 2991,3217 ccw(c3045,3217) 3045,3163 4366.06,3163 cw(c4366.06,3127) 4402.06,3127 U0.62@4402.06,3066.36
流量计(B1): P11.1 P22.7 U0.27 | length 4519.6
  Top Layer w10: P22.7@1348.5,2983.37 1535.63,2983.37 1945,2574 v2(2007,2574) ; v2(2122,2622) 2129.25,2629.25 2894.2,2629.25 3860.25,2629.25 v2(3869,2638) ; v2(4416,2765) 4450.63,2765 4559.54,2656.09 U0.27@4559.54,2593.92
  Bottom Layer w10: P11.1@1899.68,3376.35 1825,3301.66 1825,3243.83 1825,2681 1932,2574 v2(2007,2574) 2040,2574 2088,2622 v2(2122,2622) ; v2(3869,2638) 3980,2749 4400,2749 v2(4416,2765)
门限开关(A8): P22.8 R33.1 U0.41 | length 3762.9
  Top Layer w10: P22.8@1348.5,2845.57 1514.97,2845.57 1819.55,2541 v2(2903,2541) v2@2904,2540 ; v2@2903,2608 2907,2608 v2(3906,2608) ; v2@4453.18,2813.82 v2(4454,2813) 4455.02,2813 4482,2839.98 U0.41@4746.55,2839.98
  Top Layer w20: R33.1@2904,2496 v2@2904,2540
  Bottom Layer w10: v2(2903,2541) 2907,2545 v2(2907,2602) ; v2(3906,2608) 3916.59,2608 4039.59,2731 4429,2731 4454,2756 v2(4454,2813)
pads on no net: H1.1 H2.1 H3.1 H4.1 S1.3 U0.30 U0.44 U5.0 U5.4 U5.6 U5.7 U5.8 U5.9 U6.1 U6.2 U6.10 U6.12 U6.13 U6.14 U6.15 U6.16 U6.17 U6.18 U6.19 U6.20 U6.21 U6.22 U6.23 U6.24 U6.27 U6.28 U7.9 U7.10 U7.13 U8.9 U8.10 U8.13 U9.4 U9.7 U9.8 U9.9

## Polygon pours and split planes (outlines as drawn)
GND on Top Layer "Top Layer-No Net" (solid, remove dead copper, pour order 4): 620,4510 620,4940 cw(c720,4940) 720,5040 880,5040 6350,5040 cw(c6350,4940) 6450,4940 6450,4321 6450,820 cw(c6350,820) 6350,720 6010,720 730,720 cw(c730,820) 630,820 630,950
3.3V on Top Layer "Top Layer-No Net" (solid, remove dead copper, pour order 2): 4244,3124 ccw(c4248,3124) 4248,3120 4880,3120 cw(c4880,3102) 4898,3102 4898,2700 4898,2533 cw(c4890,2533) 4890,2525 4250.85,2525 cw(c4250.85,2535.85) 4240,2535.85 4240,2525
GND on Bottom Layer "Top Layer-No Net" (solid, remove dead copper, pour order 6): 930,4238.81 930,4850 cw(c1030,4850) 1030,4950 1210,4950 6400,4950 cw(c6400,4850) 6500,4850 6500,4105 6500,930 cw(c6400,930) 6400,830 6050,830 1020,830 cw(c1020,930) 920,930 920,1130

## Keep-outs
Keep-Out Layer:
  lines w10: 1110,4668.83 1110,1030.92 ccw(c1190.92,1030.92) 1190.92,950 6091.02,950 ccw(c6091.02,1048.98) 6190,1048.98 6190,4696.23 ccw(c6106.23,4696.23) 6106.23,4780 1221.17,4780 ccw(c1221.17,4668.83) 1110.06,4672.62

## Other copper
Top Layer:
  rectangle net 3.3V: 5234,2527 5323,2621.46
  rectangle net 5.0V: 3666,3204 3880,3670
  pour cut-out: 3381.55,1212.07 2686.81,1212.07 2686.81,2242.89 3378.45,2242.89
  pour cut-out: 4764,1481.85 4764,2241 6167,2241 6184,2224 6184,1486.13
  region net 12.0V: 3756.79,4193 3766,4193 3883,4310 3883,4472 4078,4472 4078,4467 4078,4100 3756.79,4100
Bottom Layer:
  rectangle net HEAT_5V: 3686,4023 3880,4470
  region net HEAT_12V: 3790,3523.44 3790,3609 3791,3610 4101,3610 4101,3266 3889,3266 3889,3413

## Silkscreen, mask and mechanical layers (free items; w line width, h text height)
Top Overlay:
  drawing of 2455 lines, arcs and shapes, not listed
  text "GND" at 1829,4438 h80
  text "GND" at 1630,4337 h80 r270
  text "+12" at 1990,4267 h80
  text "20" at 1208,4259.35 h100 r180
  text "(发送B5)" at 4590,4251.5 h60
  text "(接收B4)" at 4832,4251 h60
  text "(系统B3)" at 5053,4251 h60
  text "电源指示" at 4359,4250 h60
  text "+12V" at 1623,4140 h100 r270
  text "19" at 1196,4064.35 h100 r180
  text "GND" at 5898.54,3860 h60
  text "18" at 1198,3835.59 h100 r180
  text "+3.3" at 5918,3754 h60
  text "-" at 1570,3750 h400
  text "17" at 1196,3720.59 h100 r180
  text "电机(B9)" at 1530,3650 h80
  text "C12" at 5927,3650 h60
  text "+3.3" at 1992,3620 h60 r270
  text "16" at 1198.01,3580.59 h100 r180
  text "C11" at 5925,3557 h60
  text "电磁阀" at 1540,3511.48 h80
  text "+3.3" at 2943,3490 h60
  text "GND" at 3250,3476.35 h60 r270
  text "C10" at 5925,3468 h60
  text "——3.3V" at 4415,3455 h60
  text "15" at 1198.01,3442.91 h100 r180
  text "-" at 1945,3436 h200
  text "B1" at 1970,3396.75 h80 r270
  text "+5" at 2970.83,3392 h60
  text "加热1" at 1550,3376.35 h80
  text "A15" at 5926,3359 h60
  text "14" at 1198.01,3305.23 h100 r180
  text "+12" at 2951,3292 h60
  text "加热2" at 1550,3245 h80
  text "13" at 1198.01,3167.56 h100 r180
  text "+3.3" at 5805,3121.16 h60
  text "-" at 1960,3118 h200
  text "+3.3V" at 1550,3100 h80
  text "12" at 1198.01,3031.08 h100 r180
  text "B7" at 5840,2988.1 h60
  text "流量计(B1)" at 1530,2960 h60
  text "B0" at 1986,2947 h60 r270
  text "11" at 1198.01,2893.4 h100 r180
  text "蜂鸣器" at 5960,2860 h80
  text "+5" at 1960,2840.65 h60 r270
  text "防盗(A8)" at 1530.55,2830 h80
  text "10" at 1198,2754.39 h110 r180
  text "E1+" at 1540,2680 h80
  text "-" at 1979,2676 h200
  text "+3.3" at 5910,2648 h60
  text "9" at 1197.99,2616.35 h120 r180
  text "E1-" at 1540,2550 h80
  text "SDO" at 5903,2543 h60
  text "8" at 1198.1,2478.89 h120 r180
  text "SCK" at 5909,2448 h60
  text "A1-" at 1535,2410 h80
  text "GND" at 5890,2351 h60
  text "7" at 1198.1,2342.88 h120 r180
  text "A2+" at 1535.63,2280 h80
  text "智能蜂箱系统V3.0" at 3830,2241 h100
  text "6" at 1198.1,2203.54 h120 r180
  text "E2+" at 1540,2130 h80
  text "2018.11.20" at 3986.46,2130 h100
  text "5" at 1197.99,2065.86 h120 r180
  text "E2-" at 1535.63,1987.01 h80
  text "1918" at 3553.72,1980.82 h50
  text "4" at 1198.1,1928.18 h120 r180
  text "A2-" at 1530,1857.51 h80
  text "3" at 1198.1,1790.5 h120 r180
  text "A2+" at 1530,1725 h80
  text "2" at 1197.99,1654.27 h120 r180
  text "-" at 1570,1530 h400
  text "1-C6" at 5667.67,1526.08 h80
  text "1" at 1197.99,1516.59 h120 r180
  text "1" at 5580,1510 h100
  text "1" at 1570,1445 h120 r180
  text "2-C7" at 5667.67,1426.75 h80
  text "-" at 1573,1394.57 h400
  text "3-C8" at 5667.52,1327.41 h80
  text "4-C9" at 5666,1228.08 h80
  text "0" at 5570,1220 h100
  text "KEY1" at 3460,1160 h80
  text "KEY2" at 3895,1160 h80
  text "KEY3" at 4330,1160 h80
Bottom Overlay:
  text "GND" at 1983,4438 h80
  text "+12" at 2102,4265 h80
  text "20" at 1125.01,4258.35 h100 r180
  text "19" at 1123.01,4066.35 h100 r180
  text "GND" at 6028,3859 h60
  text "18" at 1115.01,3834.59 h100 r180
  text "GND" at 1697,3800 h80
  text "+3.3" at 6014,3754 h60
  text "17" at 1123.01,3722.59 h100 r180
  text "抽水电机(B9)" at 1797,3658 h70
  text "C12" at 6001.94,3648 h60
  text "16" at 1120.01,3587.59 h100 r180
  text "C11" at 6001.94,3555 h60
  text "电磁阀" at 1740,3520.13 h80
  text "C10" at 6001.94,3466 h60
  text "15" at 1120.01,3449.91 h100 r180
  text "加热片1" at 1770,3380 h80
  text "A15" at 6002.06,3357 h60
  text "14" at 1120.01,3312.23 h100 r180
  text "预留功能引脚" at 6171,3275 h80
  text "加热片2" at 1780,3240 h80
  text "13" at 1120.01,3174.56 h100 r180
  text "+3.3" at 6002,3124 h60
  text "+3.3" at 1727,3099 h100
  text "12" at 1120.01,3038.08 h100 r180
  text "B7" at 6002,3021 h60
  text "流量计(B1)" at 1850,2966 h80
  text "11" at 1120.01,2900.4 h100 r180
  text "限位开关(A8)" at 1830.48,2831 h70
  text "10" at 1120,2761.39 h110 r180
  text "E1+" at 1710,2668.14 h120
  text "+3.3" at 6006,2648 h60
  text "9" at 1119.99,2623.35 h120 r180
  text "SDO" at 6005.94,2543 h60
  text "E1-" at 1680,2540 h120
  text "8" at 1120.1,2485.89 h120 r180
  text "SCK" at 6005.94,2448 h60
  text "A1-" at 1690,2392.48 h120
  text "GND" at 6006,2351 h60
  text "7" at 1120.1,2349.88 h120 r180
  text "A1+" at 1710,2271.1 h120
  text "SWD调试接口" at 6174,2250 h80
  text "6" at 1120.1,2210.54 h120 r180
  text "E2+" at 1700,2121.1 h120
  text "5" at 1119.99,2072.86 h120 r180
  text "E2-" at 1680,1971.1 h120
  text "4" at 1120.1,1935.18 h120 r180
  text "A2-" at 1690,1840 h120
  text "3" at 1120.1,1797.5 h120 r180
  text "A2+" at 1710,1710 h120
  text "2" at 1119.99,1661.27 h120 r180
  text "GND" at 1690,1580 h80
  text "1" at 1119.99,1523.59 h120 r180
  text "GND" at 1697,1442 h80

## Text inside footprints (layer, text, board x,y; h text height)
F1: Top Overlay "~" at 3725,4474.08 h98.43 r90
F1_2: Bottom Overlay "~" at 3717,3353 h98.43 r180
J1: Top Overlay "COM" at 3153.13,4487.61 h78.74 r180; Top Overlay "F3AA" at 2813.56,4290.76 h78.74 r180
J2: Top Overlay "F3AA" at 2813.56,3976.76 h78.74 r180; Top Overlay "COM" at 3153.13,4173.61 h78.74 r180
P13: Top Overlay "V" at 5936.75,3036.33 h50 r270; Top Overlay "V" at 5936.75,3178.06 h50 r270
P35: Top Overlay "1" at 5526,1582 h50 r180
POWER2: Top Overlay "V" at 1297.95,4258.5 h50 r270; Top Overlay "V" at 1297.95,4061.65 h50 r270